# KiCad board MW601_KB.kicad_pcb (continued)
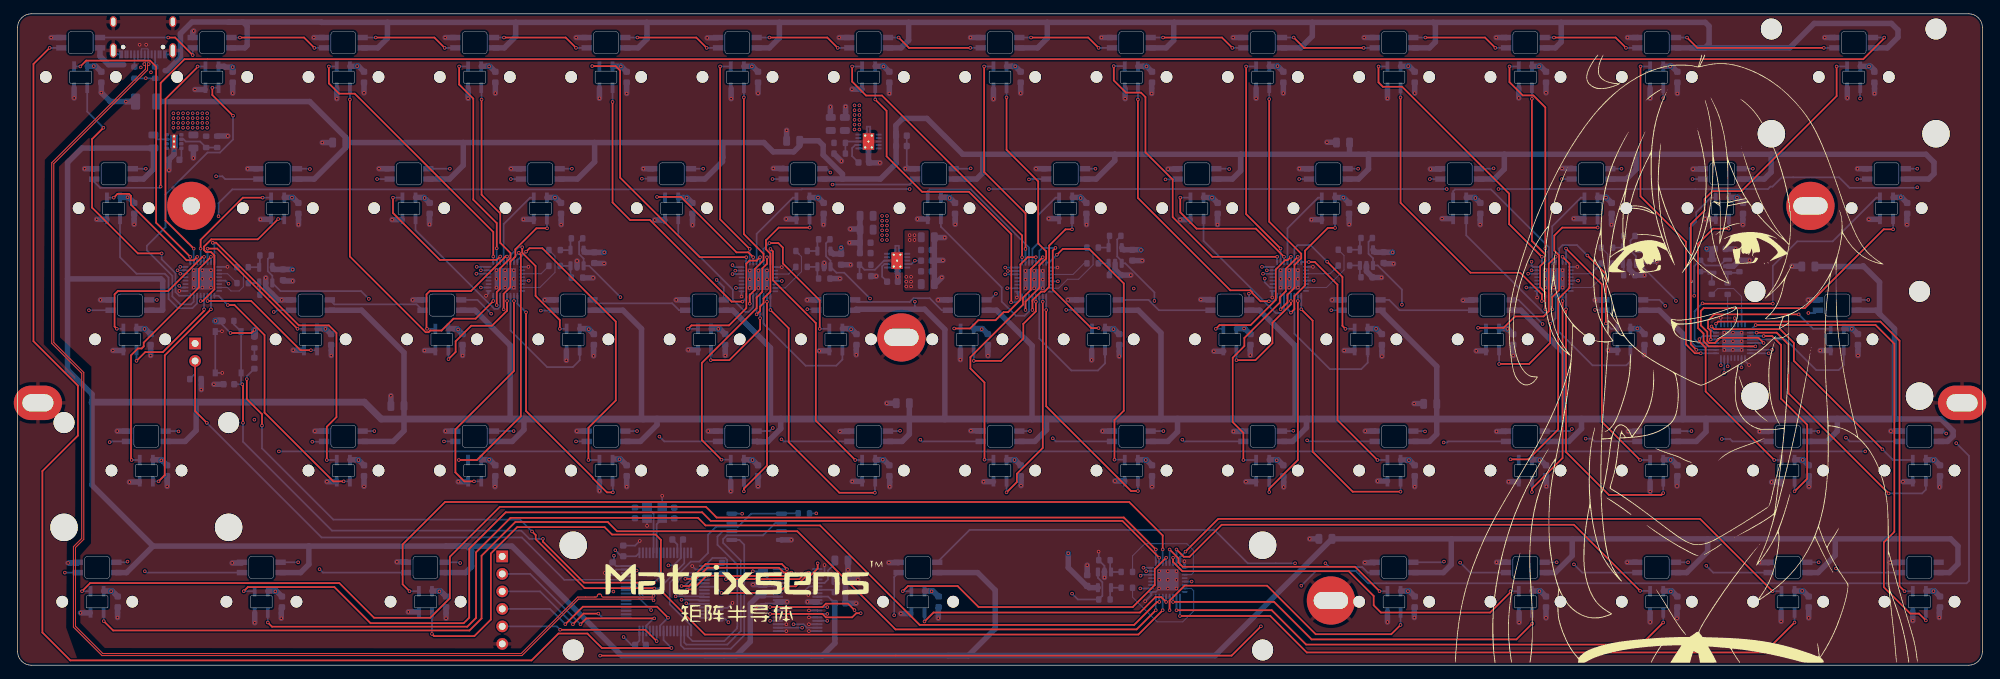
[diagram p0: board, top side]
## Routing (per net, layer and track width the routed paths; a pad name or vN(x,y) marks a point on that pad's centre or on a via; arc(x,y) is an arc through that point) (continued)
Net-(D34-DOUT): length 14.5
  Bottom w0.25: D34.2 121.78,52.75 129.4,52.75 129.95,53.3 132.3,53.3 134.05,51.55 D35.4
Net-(D35-DOUT): length 15.6
  In2.Cu w0.25: v1(152.1,51.6) 151.2,50.7 145.15,50.7 v1(141.9,53.95)
  Bottom w0.25: D36.4 153.94,51.6 v1(152.1,51.6) ; v1(141.9,53.95) 141,53.05 D35.2
Net-(D36-DOUT): length 14.1
  Bottom w0.25: D36.2 164.05,53.05 165.55,51.55 D37.4
Net-(D37-DOUT): length 15.4
  In2.Cu w0.25: v1(178.6,53.95) 188.15,53.95 v1(190.55,51.55)
  Bottom w0.25: D37.2 178.64,53.91 v1(178.6,53.95) ; v1(190.55,51.55) D38.4
Net-(D38-DOUT): length 14.1
  Bottom w0.25: D39.4 200.45,51.55 198.95,53.05 D38.2
Net-(D39-DOUT): length 16.1
  In2.Cu w0.25: v1(228.8,51.6) 226.31,49.11 221.65,49.11 v1(221.2,49.55)
  Bottom w0.25: D39.2 217.7,53.05 v1(221.2,49.55) ; D40.4 230.14,51.6 v1(228.8,51.6)
Net-(D40-DOUT): length 26.3
  In2.Cu w0.25: v1(239,52.2) 239.75,51.44 259.45,51.44 v1(259.75,51.15)
  Bottom w0.25: D40.2 238.15,53.05 v1(239,52.2) ; v1(259.75,51.15) 260.74,51.15 D41.4
Net-(D41-DOUT): length 288
  In2.Cu w0.25: v1(37.9,31.05) 37.9,35.25 36.16,36.99 18.14,36.99 13.55,32.4 v1(13.35,32.4) ; v1(268,31.05) 267.97,31.08 267.97,52.57 v1(268.45,53.05)
  Bottom w0.25: v1(37.9,31.05) v1(268,31.05) ; v1(13.35,32.4) 13.6,32.4 13.7,32.5 D42.4 ; D41.2 v1(268.45,53.05)
Net-(D42-DOUT): length 29.8
  In2.Cu w0.25: v1(23.35,33.95) 23.82,33.48 31.68,33.48 33.61,35.4 33.61,36.06 33.95,36.39 34.7,36.39 37.41,33.69 37.41,30.8 37.8,30.4 40.7,30.4 v1(42.75,32.45)
  Bottom w0.25: v1(23.35,33.95) 23.3,34 D42.2 ; D43.4 44.4,32.45 v1(42.75,32.45)
Net-(D43-DOUT): length 14.1
  In2.Cu w0.25: v1(51.75,34) 60.35,34 v1(61.85,32.5)
  Bottom w0.25: v1(61.85,32.5) D44.4 ; D43.2 v1(51.75,34)
Net-(D44-DOUT): length 14.1
  In2.Cu w0.25: v1(71.95,34) 79.5,34 v1(81,32.5)
  Bottom w0.25: v1(71.95,34) D44.2 ; v1(81,32.5) D45.4
Net-(D45-DOUT): length 14.1
  In2.Cu w0.25: v1(89.85,34) 92.3,34 v1(93.1,33.2)
  Bottom w0.25: D45.2 v1(89.85,34) ; D46.4 93.8,32.5 v1(93.1,33.2)
Net-(D46-DOUT): length 14.7
  In2.Cu w0.25: v1(109.55,34.45) 109.55,34.05 v1(110.8,32.8)
  Bottom w0.25: D47.4 111.1,32.5 v1(110.8,32.8) ; v1(109.55,34.45) 109.1,34 D46.2
Net-(D47-DOUT): length 14.1
  In2.Cu w0.25: v1(128,34.05) 128.1,33.95 129.75,33.95 v1(130.95,32.75)
  Bottom w0.25: v1(128,34.05) 127.95,34 D47.2 ; v1(130.95,32.75) 131.2,32.5 D48.4
Net-(D49-DOUT): length 14.1
  In2.Cu w0.25: v1(168.95,32.75) 167.7,34 v1(166.2,34)
  Bottom w0.25: D49.2 v1(166.2,34) ; D50.4 169.2,32.5 v1(168.95,32.75)
Net-(D50-DOUT): length 14.1
  In2.Cu w0.25: v1(187.05,32.65) 185.95,33.75 185.35,33.75 v1(185.05,34.05)
  Bottom w0.25: D51.4 187.2,32.5 v1(187.05,32.65) ; D50.2 185,34 v1(185.05,34.05)
Net-(D51-DOUT): length 14.2
  In2.Cu w0.25: v1(206.85,32.35) 205.25,33.95 v1(204.15,33.95)
  Bottom w0.25: v1(204.15,33.95) 204.1,34 D51.2 ; v1(206.85,32.35) 207.35,32.35 207.5,32.5 D52.4
Net-(D52-DOUT): length 14.3
  In2.Cu w0.25: v1(227.45,32.9) 226.85,32.9 v1(225.45,34.3)
  Bottom w0.25: D53.4 228.75,32.5 228.35,32.9 v1(227.45,32.9) ; D52.2 225.15,34 v1(225.45,34.3)
Net-(D53-DOUT): length 14.1
  In2.Cu w0.25: v1(242.8,34) 243.05,33.75 246.3,33.75 v1(247.2,32.85)
  Bottom w0.25: D53.2 242.15,34 242.2,33.95 242.75,33.95 v1(242.8,34) ; D54.4 248.75,32.5 248.4,32.85 v1(247.2,32.85)
Net-(D54-DOUT): length 14.1
  In2.Cu w0.25: v1(261.2,33.9) 264.35,33.9 v1(265.2,33.05)
  Bottom w0.25: v1(265.2,33.05) 265.75,32.5 D55.4 ; v1(261.2,33.9) 261.1,34 D54.2
Net-(D55-DOUT): length 318.7
  Top w0.25: v1(180.35,5.65) 176.1,1.4 v1(84.5,1.4)
  In2.Cu w0.25: v1(279.75,33.65) 279.8,33.65 v1(281.2,32.25) ; v1(180.35,5.65) 180.35,5.7 v1(186.2,11.55) ; v1(84.5,1.4) 81.7,4.2 77.65,4.2 74.63,1.18 13.92,1.18 8.15,6.95 8.15,12.15 v1(6.85,13.45)
  Bottom w0.25: v1(281.2,32.25) 283.05,30.4 283.05,12.25 282.7,11.9 195.9,11.9 194.1,13.7 188.35,13.7 v1(186.2,11.55) ; D55.2 279.4,34 v1(279.75,33.65) ; v1(6.85,13.45) D56.4
Net-(D56-DOUT): length 18.9
  In2.Cu w0.25: v1(15.95,15.05) 17.05,15.05 v1(18.45,13.65)
  Bottom w0.25: v1(15.95,15.05) 15.85,14.95 D56.2 ; D57.4 18.65,13.45 v1(18.45,13.65)
Net-(D57-DOUT): length 18.8
  In2.Cu w0.25: v1(43.8,13.95) 42.8,14.95 v1(40.7,14.95)
  Bottom w0.25: v1(43.8,13.95) 44.3,13.45 D58.4 ; D57.2 v1(40.7,14.95)
Net-(D58-DOUT): length 86.5
  In2.Cu w0.25: v1(127.15,7.25) 120.8,0.9 86.15,0.9 82.4,4.65 76.75,4.65 74.1,2 69.85,2 67.35,4.5 67.35,11.7 v1(64.2,14.85)
  Bottom w0.25: v1(64.2,14.85) 64.1,14.95 D58.2 ; v1(127.15,7.25) 127.15,12.81 D59.4
Net-(D59-DOUT): length 68
  In2.Cu w0.25: v1(185.3,14.8) v1(189.7,14.8)
  Bottom w0.25: v1(189.7,14.8) 190.25,14.25 195.05,14.25 195.85,13.45 D60.4 ; v1(185.3,14.8) 178.45,14.8 173.6,19.65 138.09,19.65 D59.2
Net-(D60-DOUT): length 14.2
  In2.Cu w0.25: v1(209.25,14.9) 209.1,15.05 v1(206.9,15.05)
  Bottom w0.25: D61.4 210.7,13.45 v1(209.25,14.9) ; v1(206.9,15.05) 206.8,14.95 D60.2
Net-(D61-DOUT): length 14.1
  In2.Cu w0.25: v1(225.75,14.65) 225.45,14.95 v1(223.25,14.95)
  Bottom w0.25: D62.4 226.95,13.45 v1(225.75,14.65) ; D61.2 v1(223.25,14.95)
Net-(D62-DOUT): length 14.1
  In2.Cu w0.25: v1(242.3,14.95) 244.45,14.95 v1(244.95,14.45)
  Bottom w0.25: D62.2 v1(242.3,14.95) ; D63.4 245.95,13.45 v1(244.95,14.45)
Net-(D63-DOUT): length 14.1
  In2.Cu w0.25: v1(263.75,14.05) 262.85,14.95 v1(261.25,14.95)
  Bottom w0.25: D63.2 v1(261.25,14.95) ; v1(263.75,14.05) 264.35,13.45 D64.4
Net-(D65-A): length 1.4
  Bottom w0.25: R5.1 D65.2
Net-(J2-CC1): length 1.8
  Bottom w0.25: J2.A5 R2.1
Net-(J2-CC2): length 1.8
  Bottom w0.25: R3.1 J2.B5
Net-(U10-+): length 3.3
  Bottom w0.25: R6.1 35.15,55.41 U10.3 35.03,55.49 33.47,55.49
Net-(U10--): length 3.3
  Bottom w0.25: R12.1 35.15,57.89 U10.4 35.04,57.8 R10.2
Net-(U11-+): length 3.3
  Bottom w0.25: R7.1 194.7,56.5 U11.3 193.23,58.05 R9.2
Net-(U11--): length 3.3
  Bottom w0.25: R13.1 194.7,61.88 U11.4 194.69,60.34 R11.2
Net-(U12-+): length 3.2
  Bottom w0.25: R16.2 80.19,57.99 U12.3 80.2,56.41 80.33,56.29
Net-(U12--): length 3.2
  Bottom w0.25: 80.33,61.99 80.2,61.86 U12.4 80.19,60.29 R18.2
Net-(U13-+): length 3.8
  Bottom w0.25: R17.2 232.84,58.34 U13.3 232.96,58.24 232.96,57.15 ; 232.96,57.15 R15.1 232.96,57.15
Net-(U13--): length 4.1
  Bottom w0.25: 232.96,61.54 R21.1 232.96,61.54 ; 232.96,61.54 232.96,60.74 U13.4 232.84,60.64 R19.2
Net-(U14-REFCAP): length 4.4
  Bottom w0.25: U14.7 118.19,10.95 C84.1 ; 118.54,10.62 C84.1 ; 118.54,10.62 C84.1 ; 118.54,10.62 118.55,10.64 C85.1
Net-(U14-REFIO): length 4.9
  Bottom w0.25: U14.5 117.05,11.95 117.55,12.45 117.55,13.75 118.55,14.75 C83.1
Net-(U15-+): length 3.3
  Bottom w0.25: R22.1 116.01,56.33 116.01,57.86 U15.3 116,57.85 R24.2
Net-(U15--): length 3.3
  Bottom w0.25: R26.2 116,60.15 U15.4 116.01,60.14 116.01,61.67 R28.1
Net-(U16-+): length 3.3
  Bottom w0.25: R25.2 248.05,56.97 U16.3 249.59,56.99 R23.1
Net-(U16--): length 3.3
  Bottom w0.25: R29.1 245.6,57.15 U16.4 245.75,56.97 R27.2
Net-(U17-+): length 3.8
  Bottom w0.25: 158.36,57.15 R30.1 158.36,57.15 ; 158.36,57.15 158.36,58.25 U17.3 158.24,58.35 R32.2
Net-(U17--): length 3.3
  Bottom w0.25: R34.2 158.24,60.65 U17.4 158.25,62.21 R36.1
Net-(U18-+): length 3.3
  Bottom w0.25: 158.54,13.6 U18.3 ; 158.54,13.6 158.48,13.66 R31.1 ; 158.54,13.6 U18.3 ; U18.3 160.06,13.54 R33.2
Net-(U18--): length 3.2
  Bottom w0.25: R37.1 158.48,11.14 U18.4 158.61,11.25 R35.2
Net-(U19-FB): length 5.7
  Bottom w0.25: U19.6 24.07,76.38 24.4,76.05 26.47,76.05 R39.2 R40.1
Net-(U19-SS/TR): length 1.8
  Bottom w0.25: 23.76,75.08 23.76,73.69 C96.1
Net-(U20-FB): length 6.5
  Bottom w0.25: R42.1 R41.2 122.84,57.43 124.36,57.43 125.67,58.75 U20.8
Net-(U20-SS): length 3.4
  Bottom w0.25: U20.7 125.73,58.25 125.4,57.92 125.4,56.42 C106.1
Net-(U21-FB): length 3.5
  Bottom w0.25: U21.8 120.27,76.05 R43.2 R44.1
Net-(U21-SS): length 3.6
  Bottom w0.25: U21.7 121.5,75.55 121.05,75.1 121.05,73.92 C111.1

## Copper pours and planes (outline as drawn; the poured copper is in the pictures)
+3V3 on Top, Bottom: 132.15,63.15 132.15,54.4 128.65,54.4 128.65,63.15
+3V3 on Bottom, In1.Cu: 21.1,76.7 22.05,76.7 22.05,77.2 23.35,77.2 23.35,76.7 28.05,76.7 28.05,80.55 22.25,80.55 21.1,77.75
+3V3 on In2.Cu: 117.35,23.7 117.35,3.5 85.9,3.5 85.9,23.7
+5V on Bottom: 124.4,77.35 128.05,77.35 128.05,74.7 124.4,74.7
+5V on Bottom: 20.2,89.45 21.95,89.45 21.95,80.45 20.85,77.75 18.75,77.75 18.75,76.05 22.05,76.05 22.05,74.1 16.1,74.1 16.1,80.15 18,80.15 18,83.3 14.55,83.3 14.55,89.45 16.2,89.45 16.2,84.6 20.2,84.6
GND on Top, Bottom: 0,94.6 285,94.6 285,0 0,0
GND on In1.Cu: 0,94.6 285,94.6 285,0 0,0
VCC1V0 on Bottom: 123.35,66.25 123.35,57.65 124.8,57.65 124.8,59.05 126.65,59.05 126.65,66.25
VCC1V0 on In2.Cu: 0,94.6 285,94.6 285,0 0,0
VDDA on Bottom: 119.35,75.15 119.35,76.35 122.5,76.35 122.5,81.7 121,81.7 121,78.7 117.05,78.7 117.05,76.7 117.8,75.15
VDDA on In2.Cu: 36.55,61.85 117.3,62.05 117.35,82.05 122.95,82.05 123,61.2 246.95,61.25 246.9,55.35 36.6,55.35

## Text on the board
B.Silkscreen: TX | RX | GND | +3V3 | SWDIO | SWCLK | BOOT0 | NRST
